# Altium PCB PCB_Final.PcbDoc (part 2 of 2)
Units mm, origin at the board's own origin, x right, y up, seen from the top; angles counter-clockwise.
Board outline 96.14 x 59.1 mm, 4 copper layers (Signal H, Power, GND, Signal L), stack 1.571 mm thick; 86 components, 49 nets, 289 pads, 467 vias.
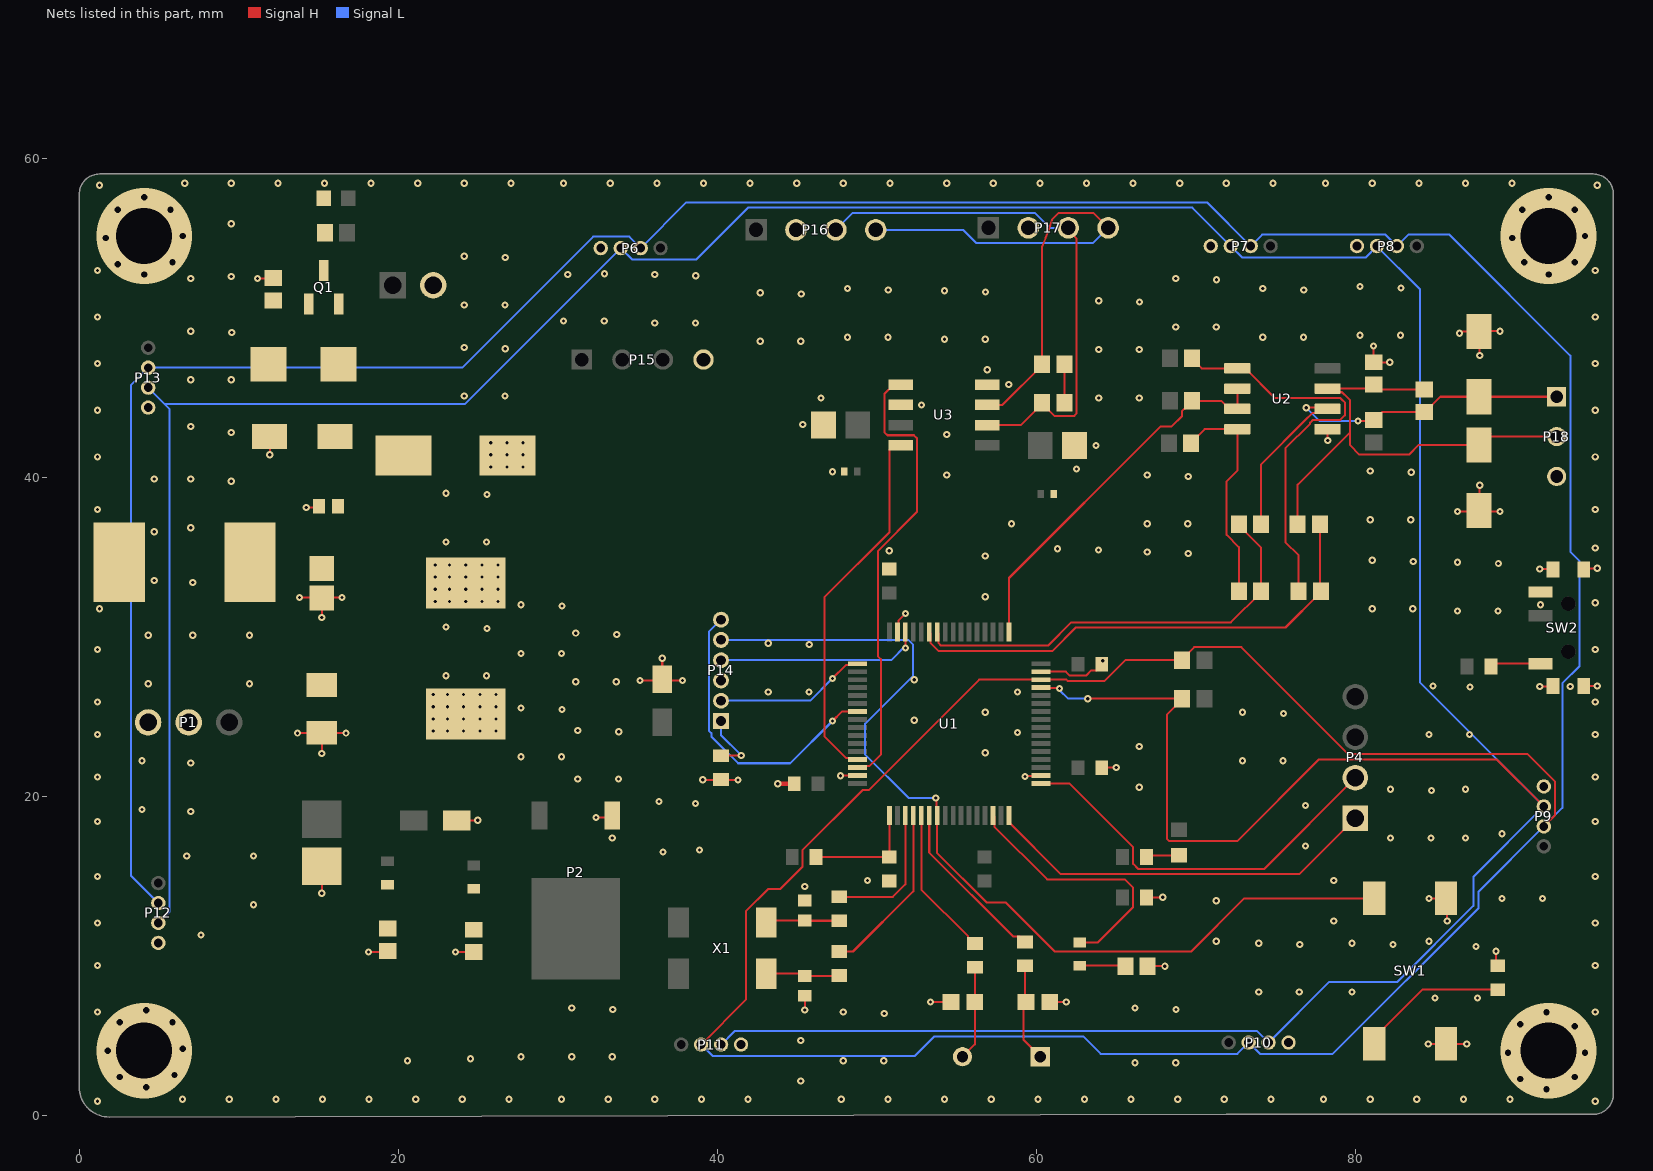
[diagram p4: the nets of this part, all layers, seen from the top]

## Via types
v1: diameter 0.45, hole 0.2, Signal H to Signal L, 430 vias
v2: diameter 0.8, hole 0.4, Signal H to Signal L, 32 vias
v3: diameter 6, hole 3.5, Signal H to Signal L, 4 vias
v4: diameter 1, hole 0.2, Signal H to Signal L, 1 vias

## Nets (pads, with @x,y where several pads share a name; then routed paths per layer and width w, separated by ;. In a path a pad name is that pad's centre, name@x,y a point inside that pad or via, vN(x,y) a via of type N, cw(c..) or ccw(c..) an arc to the next point about the centre after c; other vN are vias at no path point) (continued)
CANH: P16.4 P17.4 R18.1 U3.7 | length 33.1
  Signal H w0.127: U3.7@56.897,44.533 57.853,44.533 60.343,47.023 R18.1@60.343,47.073 60.343,54.41 60.343,54.435 ccw(c42.597,61.764) 60.95,56.125 61.39,56.564 63.538,56.564 P17.4@64.476,55.626
  Signal L w0.127: P16.4@49.911,55.499 55.38,55.499 56.192,54.688 63.538,54.688 P17.4@64.476,55.626
CANL: P16.3 P17.3 R17.2 U3.6 | length 33.8
  Signal H w0.127: U3.6@56.897,43.263 58.996,43.263 R17.2@60.343,44.61 ; R17.2@60.343,44.66 R17.2@60.343,44.61 ; P17.3@61.976,55.626 61.976,55.464 62.507,54.933 62.507,44.001 62.353,43.847 61.107,43.847 R17.2@60.343,44.61
  Signal L w0.127: P16.3@47.411,55.499 48.477,56.564 59.865,56.564 60.803,55.626 P17.3@61.976,55.626
GND: C1.2 C2.2 C3.1 C4.1 C5.2 C6.2 C7.2 C8.2 C9.1 C10.2 C11.2 C12.1 C13.1 C15.2 C16.2 C17.2 C18.1 C19.1 C20.1 C22.1 C23.2 D1.2 D5.2 D6.2 L2.1 L2.2 P1.2 P2.1 P3.2 P6.4 P7.4 P8.4 P9.4 P10.4 P11.4 P12.4 P13.4 P14.3 P15.4 P16.2 P17.2 P18.3 R2.2 R3.1 R6.1 R8.1 R9.1 R10.1 R26.2 SW1.1 SW1.2 SW2.3 SW2.4 SW2.5 SW2.6 SW2.7 U1.18 U1.31 U1.47 U1.63 U2.5 U3.2 U3.8 | length 78.9
  Signal H w0.127: v2(1.778,4.064) v3(4.064,4.064) ; v2(2.54,2.413) 4.064,3.937 v3(4.064,4.064) ; v2(2.54,5.842) 2.54,5.588 v3(4.064,4.064) ; v2(4.191,1.778) 4.191,3.937 v3(4.064,4.064) ; v2(4.191,6.604) 4.064,6.477 v3(4.064,4.064) ; v2(5.842,5.842) v3@4.191,4.191 ; v2(5.969,2.54) 4.445,4.064 v3(4.064,4.064) ; v2(6.477,4.191) v3@4.191,4.191 ; v1(11.176,52.451) 12.127,52.451 R2.2@12.148,52.472 ; D1.2@11.92,42.545 11.938,42.527 v1(11.938,41.402) ; v1(13.672,23.959) 15.172,23.959 C4.1@15.196,23.983 ; v1(13.799,32.468) v1(16.466,32.468) ; v1(14.224,38.1) 14.929,38.1 C1.2@15.012,38.183 ; v1(15.196,13.926) C5.2@15.196,15.626 ; v1(15.196,22.689) C4.1@15.196,23.983 ; v1(15.196,31.198) C3.1@15.196,32.432 ; v1(16.72,23.959) 15.22,23.959 C4.1@15.196,23.983 ; v1(18.117,10.243) 19.256,10.243 R3.1@19.318,10.305 ; v1(23.578,10.243) 24.718,10.243 R6.1@24.721,10.24 ; C6.2@23.658,18.498 v1(24.975,18.498) ; v1(32.385,18.669) 33.272,18.669 P2.1@33.4,18.797 ; v1(35.135,27.261) v1(37.802,27.261) ; C7.2@36.532,27.341 v1(36.532,28.658) ; v1(39.072,21.038) 39.083,21.028 R8.1@40.215,21.028 ; R8.1@40.215,21.05 R8.1@40.215,21.028 ; v1(41.27,21.017) 41.26,21.028 R8.1@40.215,21.028 ; v1(45.466,6.604) C11.2@45.466,7.503 ; v1(47.708,21.292) 47.717,21.301 48.756,21.301 U1.63@48.764,21.309 ; U1.47@51.264,30.309 51.349,30.394 51.349,31.029 v1(51.772,31.452) ; v1(53.34,7.112) C12.1@54.622,7.112 ; v1(59.265,21.234) 59.303,21.272 60.227,21.272 U1.18@60.264,21.309 ; U1.31@60.264,27.809 61.825,27.809 62.07,27.564 63.089,27.564 63.416,27.891 63.743,27.891 64.079,28.227 64.079,28.447 v1(64.135,28.502) ; C13.1@60.821,7.112 v1(61.849,7.112) ; C20.1@64.079,21.8 v1(64.98,21.8) ; R9.1@66.873,13.672 v1(67.901,13.672) ; R10.1@66.95,9.354 v1(68.028,9.354) ; U2.5@78.219,43.009 78.232,42.997 v1(78.232,42.291) ; v1@81.153,48.26 v1(81.109,48.216) R26.2@81.109,47.203 81.112,47.2 v1(82.125,47.2) ; v1(84.538,4.489) SW1.2@85.623,4.489 ; v1(84.582,13.589) SW1.1@85.667,13.589 ; SW1.2@85.645,4.511 SW1.2@85.623,4.489 ; SW1.1@85.645,13.611 SW1.1@85.667,13.589 ; v1(85.725,12.192) 85.725,13.531 SW1.1@85.667,13.589 ; v1(86.36,37.846) 87.648,37.846 D6.2@87.713,37.911 ; v1(86.487,49.022) 86.574,49.022 86.694,49.141 D5.2@87.713,49.141 ; v1(86.951,4.489) SW1.2@85.623,4.489 ; v1(87.757,39.497) 87.757,37.955 D6.2@87.713,37.911 ; v1(87.757,47.625) 87.757,49.098 D5.2@87.713,49.141 ; v1(88.773,10.287) 88.773,9.513 C16.2@88.9,9.386 ; v1(89.027,37.846) 87.779,37.846 D6.2@87.713,37.911 ; v1(89.027,49.149) 87.721,49.149 D5.2@87.713,49.141 ; v1(91.523,26.88) 92.315,26.88 SW2.4@92.348,26.913 ; v1(91.523,34.246) 92.315,34.246 SW2.5@92.348,34.213 ; SW2.6@94.278,26.913 94.289,26.924 v1(95.123,26.924) ; SW2.7@94.278,34.213 94.355,34.29 v1(95.123,34.29) ; v3(4.064,4.064) v3@4.191,4.191
  Signal H w0.3: v1(43.771,20.784) C18.1@44.799,20.784
  other v1: 1.143,0.889 1.143,0.889 94.996,0.889 94.996,0.889 6.477,1.016 9.398,1.016 12.319,1.016 15.24,1.016 18.161,1.016 21.082,1.016 24.003,1.016 26.924,1.016 30.226,1.016 33.147,1.016 36.068,1.016 38.989,1.016 41.91,1.016 47.752,1.016 50.673,1.016 54.229,1.016 57.15,1.016 60.071,1.016 62.992,1.016 65.913,1.016 68.834,1.016 71.755,1.016 74.676,1.016 77.978,1.016 80.899,1.016 83.82,1.016 86.741,1.016 89.662,1.016 45.212,2.159 66.167,3.302 68.707,3.302 20.574,3.429 47.879,3.429 50.419,3.429 24.511,3.556 27.686,3.683 30.861,3.683 33.401,3.683 45.212,4.699 50.447,6.398 1.143,6.477 47.879,6.477 94.996,6.477 33.429,6.652 68.735,6.652 30.861,6.731 66.167,6.731 84.963,7.366 87.63,7.366 73.914,7.747 76.454,7.747 79.756,7.747 1.143,9.398 94.996,9.398 87.531,10.589 76.482,10.716 82.324,10.716 73.914,10.795 79.756,10.795 71.247,10.922 84.582,10.922 7.62,11.303 1.143,12.065 94.996,12.065 78.613,12.192 10.922,13.208 71.247,13.462 89.154,13.589 91.694,13.589 45.466,14.351 49.403,14.732 78.613,14.732 1.143,14.986 94.996,14.986 6.731,16.256 10.922,16.256 36.576,16.51 38.862,16.637 76.835,16.891 33.401,17.399 82.169,17.399 84.709,17.399 86.868,17.399 89.154,17.653 1.143,18.415 94.996,18.415 6.985,19.05 3.937,19.177 76.835,19.431 38.608,19.558 36.322,19.685 84.737,20.368 82.169,20.447 86.868,20.447 66.421,20.574 31.242,21.082 33.782,21.082 1.143,21.209 94.996,21.209 6.985,22.098 3.937,22.225 72.898,22.225 75.438,22.225 27.686,22.479 30.226,22.479 56.769,22.733 66.421,23.114 1.143,23.876 84.582,23.876 87.122,23.876 94.996,23.876 58.801,24.003 33.81,24.051 22.181,24.086 23.07,24.086 24.086,24.086 25.102,24.086 26.118,24.086 31.242,24.13 52.324,24.765 22.181,24.848 23.07,24.848 24.086,24.848 25.102,24.848 26.118,24.848 75.466,25.194 56.769,25.273 72.898,25.273 30.254,25.448 27.686,25.527 22.181,25.61 23.07,25.61 24.086,25.61 25.102,25.61 26.118,25.61 1.143,25.908 94.996,25.908 22.181,26.372 23.07,26.372 24.086,26.372 25.102,26.372 26.118,26.372 43.18,26.543 45.72,26.543 58.801,26.543 87.15,26.845 93.428,26.88 84.836,26.924 31.115,27.178 33.655,27.178 52.324,27.305 22.987,27.559 25.527,27.559 27.686,28.956 30.226,28.956 1.143,29.21 94.996,29.21 45.748,29.512 7.112,30.099 33.683,30.147 31.115,30.226 25.555,30.528 22.987,30.607 86.36,31.623 88.9,31.623 1.27,31.75 81.026,31.75 83.566,31.75 30.254,31.925 27.686,32.004 91.567,32.004 94.996,32.131 22.308,32.214 23.197,32.214 24.213,32.214 25.229,32.214 26.245,32.214 56.769,32.512 22.308,32.976 23.197,32.976 24.213,32.976 25.229,32.976 26.245,32.976 7.112,33.401 4.699,33.528 22.308,33.738 23.197,33.738 24.213,33.738 25.229,33.738 26.245,33.738 22.308,34.5 23.197,34.5 24.213,34.5 25.229,34.5 26.245,34.5 88.928,34.592 86.36,34.671 83.594,34.719 81.026,34.798 56.769,35.052 69.497,35.227 66.929,35.306 50.756,35.389 63.869,35.433 61.301,35.513 94.996,35.56 22.987,35.941 25.527,35.941 4.699,36.576 6.985,36.83 58.42,37.084 66.929,37.084 69.469,37.084 80.899,37.338 83.439,37.338 1.143,37.973 94.996,37.973 25.555,38.91 22.987,38.989 9.525,39.751 4.699,39.878 6.985,39.878 69.497,40.053 54.356,40.132 66.929,40.132 83.467,40.307 47.2,40.342 80.899,40.386 62.484,40.513 25.781,40.64 26.797,40.64 27.813,40.64 1.143,41.275 94.996,41.275 25.781,41.402 26.797,41.402 27.813,41.402 63.71,41.993 25.781,42.164 26.797,42.164 27.813,42.164 54.356,42.672 9.525,42.799 6.985,43.18 45.339,43.307 1.143,44.196 94.996,44.196 52.788,44.533 46.482,44.958 63.881,44.958 66.421,44.958 24.13,45.085 26.67,45.085 58.249,45.803 6.985,46.101 9.525,46.101 56.896,46.736 1.143,47.117 94.996,47.117 63.881,48.006 63.881,48.006 66.421,48.006 66.421,48.006 26.698,48.054 24.13,48.133 42.672,48.514 45.212,48.514 54.229,48.641 56.769,48.641 48.133,48.768 50.673,48.768 74.168,48.768 76.708,48.768 80.264,48.895 82.804,48.895 9.553,49.07 6.985,49.149 68.707,49.403 71.247,49.403 36.068,49.657 38.608,49.657 30.353,49.784 32.893,49.784 1.143,50.038 94.996,50.038 24.13,50.8 26.67,50.8 66.449,50.975 63.881,51.054 45.24,51.483 42.672,51.562 56.797,51.61 54.229,51.689 50.701,51.737 76.736,51.737 48.133,51.816 74.168,51.816 82.832,51.864 80.264,51.943 71.275,52.372 6.985,52.451 68.707,52.451 9.525,52.578 38.636,52.626 30.607,52.705 36.068,52.705 32.921,52.753 1.143,52.959 94.996,52.959 26.698,53.769 24.13,53.848 9.525,55.88 1.27,58.293 1.27,58.293 95.123,58.293 95.123,58.293 6.604,58.42 9.525,58.42 12.446,58.42 15.367,58.42 18.288,58.42 21.209,58.42 24.13,58.42 27.051,58.42 30.353,58.42 33.274,58.42 36.195,58.42 39.116,58.42 42.037,58.42 44.958,58.42 47.879,58.42 50.8,58.42 54.356,58.42 57.277,58.42 60.198,58.42 63.119,58.42 66.04,58.42 68.961,58.42 71.882,58.42 74.803,58.42 78.105,58.42 81.026,58.42 83.947,58.42 86.868,58.42 89.789,58.42
  other v2: 91.948,1.651 90.297,2.286 93.726,2.413 89.535,3.937 94.361,3.937 93.726,5.588 90.297,5.715 91.948,6.477 4.064,52.705 92.075,52.705 2.413,53.34 5.842,53.467 90.551,53.467 93.726,53.467 1.651,54.991 89.789,54.991 6.477,55.118 94.361,55.118 2.413,56.769 5.715,56.769 90.424,56.769 93.726,56.769 4.064,57.531 92.075,57.531
  other v3: 92.075,4.064 4.064,55.118 92.075,55.118
LED_STATUS: D3.2 U1.14 | length 16.5
  Signal H w0.127: U1.14@57.264,18.809 57.349,18.725 57.349,18.103 60.657,14.795 65.524,14.795 66.037,14.282 66.037,13.063 63.815,10.841 D3.2@62.694,10.841
NetC1_1: C1.1 C2.1 C3.2 D1.1 L1.1 Q1.2 Z1.1
NetC4_2: C4.2 L1.2 P1.1
  other v1: 4.318,27.051 10.668,27.051 4.318,30.099 10.668,30.099
NetC10_1: C10.1 R12.2 X1.1 | length 4.6
  Signal H w0.127: X1.1@43.053,12.09 43.175,12.212 C10.1@45.466,12.212 45.474,12.204 R12.2@47.625,12.204
NetC11_1: C11.1 R11.2 X1.4 | length 4.6
  Signal H w0.127: X1.4@43.053,8.89 45.329,8.89 C11.1@45.466,8.753 47.603,8.753 R11.2@47.625,8.775
NetC12_2: C12.2 R14.1 X2.2 | length 5.9
  Signal H w0.127: X2.2@55.345,3.683 56.122,4.46 C12.2@56.122,7.112 56.134,7.124 R14.1@56.134,9.283
NetC13_2: C13.2 R13.1 X2.1 | length 6.2
  Signal H w0.127: R13.1@59.265,9.378 59.265,7.183 59.15,7.068 59.175,7.043 59.175,4.733 X2.1@60.225,3.683
NetC16_1: C16.1 SW1.4 | length 9.4
  Signal H w0.127: SW1.4@81.145,4.511 81.145,4.861 84.171,7.886 C16.1@88.9,7.886
NetD2_1: D2.1 R3.2
NetD3_1: D3.1 R10.2 | length 2.9
  Signal H w0.127: D3.1@62.694,9.391 65.513,9.391 R10.2@65.55,9.354
NetD4_1: D4.1 R6.2
NetF1_2: F1.2 Q1.3 R1.1
NetFB1_2: FB1.2 R16.1 | length 2.1
  Signal H w0.127: R16.1@66.873,16.212 66.962,16.301 FB1.2@68.917,16.301
NetP6_2: P6.2 P7.2 P8.2 P9.2 P10.2 P11.2 P12.2 P13.2 R5.1 U1.30 | length 300.1
  Signal H w0.127: P11.2@38.969,4.445 41.778,7.254 41.778,12.788 43.186,14.196 43.928,14.196 45.336,15.603 45.336,16.649 49.081,20.394 49.47,20.394 56.386,27.309 U1.30@60.264,27.309 61.862,27.309 61.935,27.237 64.262,27.237 65.556,28.531 R5.1@69.106,28.531 69.106,28.581 69.87,29.345 72.823,29.345 79.526,22.642 90.762,22.642 92.491,20.913 92.491,18.831 P9.2@91.777,18.117
  Signal L w0.127: P12.2@4.953,13.315 3.23,15.038 3.23,45.775 P13.2@4.318,46.863 24.003,46.863 32.21,55.07 34.465,55.07 P6.2@35.179,54.356 38.041,57.218 70.671,57.218 P7.2@73.406,54.483 74.12,55.197 81.856,55.197 P8.2@82.57,54.483 83.283,55.197 85.869,55.197 93.447,47.619 93.447,35.315 94.027,34.735 94.027,28.17 92.94,27.083 92.94,19.28 P9.2@91.777,18.117 87.684,14.024 87.684,12.997 78.545,3.858 73.993,3.858 P10.2@73.279,4.572 72.565,3.858 64,3.858 62.905,4.953 53.594,4.953 52.372,3.731 39.683,3.731 P11.2@38.969,4.445
NetP6_3: P6.3 P7.3 P8.3 P9.3 P10.3 P11.3 P12.3 P13.3 R28.1 U1.29 | length 261.9
  Signal H w0.127: U1.29@60.264,26.809 60.292,26.781 61.396,26.781 v1(61.424,26.753) ; v1(63.192,26.118) R28.1@69.106,26.118 69.106,26.068 68.154,25.116 68.154,17.342 68.308,17.188 72.56,17.188 77.68,22.308 88.836,22.308 P9.3@91.777,19.367
  Signal L w0.127: P13.3@4.318,45.613 5.354,44.577 ; P12.3@4.953,12.065 5.667,12.779 5.667,44.265 5.354,44.577 ; P11.3@40.219,4.445 41.059,5.286 73.815,5.286 P10.3@74.529,4.572 78.312,8.355 82.579,8.355 87.357,13.133 87.357,14.946 P9.3@91.777,19.367 84.008,27.137 84.008,51.795 P8.3@81.32,54.483 80.606,53.769 72.87,53.769 P7.3@72.156,54.483 69.748,56.891 41.905,56.891 38.656,53.642 34.642,53.642 P6.3@33.929,54.356 24.15,44.577 5.354,44.577 ; v1(61.424,26.753) 61.424,26.666 61.972,26.118 v1(63.192,26.118)
NetP14_1: P14.1 R8.2 | length 4
  Signal H w0.127: R8.2@40.215,22.55 40.227,22.562 v1(41.485,22.562)
  Signal L w0.127: P14.1@40.215,24.721 40.215,23.832 v1(41.485,22.562)
NetQ1_1: Q1.1 R2.1 Z1.2
NetR7_1: R7.1 SW2.1 | length 3.4
  Signal H w0.127: SW2.1@91.563,28.313 R7.1@88.626,28.313 ; R7.1@88.626,28.313 R7.1@88.463,28.15 R7.1@88.626,28.313
NetR17_1: R17.1 R18.2 | length 2.4
  Signal H w0.127: R17.1@61.743,44.66 R18.2@61.743,47.073
NetR19_1: R19.1 U1.33 U2.2 U2.3 | length 24
  Signal H w0.127: U1.33@58.264,30.309 58.264,33.682 67.762,43.18 68.453,43.18 69.108,43.835 69.108,44.151 69.258,44.301 69.308,44.301 69.744,44.737 R19.1@69.744,44.787 71.561,44.787 72.069,44.279 U2.3@72.569,44.279 U2.2@72.569,45.549
NetR22_2: R22.2 R24.2 U1.42 | length 27.2
  Signal H w0.127: U1.42@53.764,30.309 53.849,30.225 53.849,29.603 54.003,29.449 60.706,29.449 62.163,30.906 72.169,30.906 74.062,32.799 R22.2@74.062,32.849 74.062,35.59 72.662,36.99 R24.2@72.662,37.04
NetR23_2: R23.2 R25.2 U1.43 | length 31.1
  Signal H w0.127: U1.43@53.264,30.309 53.349,30.225 53.349,29.603 53.83,29.122 60.999,29.122 62.456,30.579 75.59,30.579 77.745,32.734 R25.2@77.745,37.04
NetU1_61: U1.61 U3.4 | length 23.1
  Signal H w0.127: U1.61@48.764,22.309 48.68,22.394 48.058,22.394 46.712,23.74 46.712,32.498 50.774,36.561 50.774,41.732 51.036,41.993 U3.4@51.473,41.993
NetU1_62: U1.62 U3.1 | length 28.7
  Signal H w0.127: U1.62@48.68,21.894 U1.62@48.764,21.809 48.849,21.894 49.508,21.894 50.229,22.614 50.229,28.592 50.043,28.778 50.043,35.367 52.499,37.823 52.499,42.428 52.299,42.628 50.648,42.628 50.447,42.829 50.447,45.215 51.036,45.803 U3.1@51.473,45.803
NRST: P14.5 SW1.3 U1.7 | length 60.7
  Signal H w0.127: v1(53.677,19.895) 53.721,19.852 53.721,18.853 U1.7@53.764,18.809 53.764,16.439 56.858,13.345 58.071,13.345 60.856,10.561 61.139,10.278 69.681,10.278 73.013,13.611 SW1.3@81.145,13.611
  Signal L w0.127: P14.5@40.215,29.801 51.955,29.801 52.261,29.496 52.261,27.559 49.252,24.55 49.252,22.614 51.971,19.895 v1(53.677,19.895)
  other v1: 43.18,29.591
OSC32_IN: R12.1 U1.3 | length 8.8
  Signal H w0.127: R12.1@47.625,13.704 50.983,13.704 51.764,14.486 U1.3@51.764,18.809
OSC32_OUT: R11.1 U1.4 | length 11
  Signal H w0.127: R11.1@47.625,10.275 48.487,10.275 52.264,14.052 U1.4@52.264,18.809
OSC_IN: R14.2 U1.5 | length 9.5
  Signal H w0.127: U1.5@52.764,18.809 52.764,14.153 55.697,11.22 55.697,11.12 56.034,10.783 R14.2@56.134,10.783
OSC_OUT: R13.2 U1.6 | length 10.7
  Signal H w0.127: U1.6@53.264,18.809 53.264,16.476 58.526,11.215 58.929,11.215 R13.2@59.265,10.878
RS485_RX: R20.1 R23.1 U2.1 | length 25.5
  Signal H w0.127: R20.1@69.744,47.454 69.744,47.404 70.329,46.819 U2.1@72.569,46.819 73.069,46.819 74.928,44.961 79.029,44.961 79.122,44.868 79.125,44.868 79.308,44.685 79.308,43.874 79.032,43.598 77.314,43.598 77.131,43.415 77.131,43.359 75.582,41.81 75.582,35.932 76.41,35.103 R23.1@76.41,32.849
RS485_TX: R21.1 R22.1 U2.4 | length 14
  Signal H w0.127: R21.1@69.679,42.12 69.679,42.17 70.518,43.009 U2.4@72.569,43.009 72.569,40.408 71.899,39.737 71.899,36.381 72.662,35.618 R22.1@72.662,32.849
RX_PC: D6.1 P18.2 R4.1 R25.1 R26.1 U2.7 | length 32.4
  Signal H w0.127: R25.1@76.345,37.04 76.345,39.529 79.635,42.818 ; R4.1@84.284,45.487 81.425,45.487 R26.1@81.109,45.803 80.855,45.549 U2.7@78.219,45.549 78.047,45.377 78.911,45.542 78.911,45.393 78.981,45.323 79.13,45.323 79.257,45.195 79.26,45.195 79.635,44.82 79.635,42.818 ; D6.1@88.425,42.723 D6.1@88.247,42.545 ; P18.2@92.583,42.545 D6.1@88.247,42.545 ; 79.635,42.818 79.635,42.007 80.223,41.419 83.328,41.419 83.921,42.011 D6.1@87.713,42.011 D6.1@88.247,42.545
SWCLK: P14.2 U1.49 | length 9.5
  Signal H w0.127: v1(47.2,27.388) 48.037,28.225 48.68,28.225 U1.49@48.764,28.309
  Signal L w0.127: P14.2@40.215,25.991 45.803,25.991 v1(47.2,27.388)
SWDIO: P14.4 U1.46 | length 13.1
  Signal H w0.127: U1.46@51.764,30.309 51.768,30.305 51.768,29.297 v1(51.772,29.293)
  Signal L w0.127: P14.4@40.215,28.531 50.883,28.531 51.772,29.42 v1(51.772,29.293)
SWO: P14.6 U1.55 | length 18.9
  Signal H w0.127: v1(47.2,24.721) 47.788,25.309 U1.55@48.764,25.309
  Signal L w0.127: P14.6@40.215,31.071 39.452,30.308 39.452,24.112 39.606,23.958 39.606,23.751 41.283,22.074 44.553,22.074 v1(47.2,24.721)
TX_PC: D5.1 P18.1 R4.2 R24.1 R27.2 U2.6 | length 27.4
  Signal H w0.127: R24.1@74.062,37.04 74.062,40.809 76.804,43.55 77.271,44.018 77.958,44.018 U2.6@78.219,44.279 78.143,44.356 v1(76.893,44.356) ; v1(80.123,43.517) 81.044,43.517 R27.2@81.109,43.582 81.159,43.582 81.664,44.087 R4.2@84.284,44.087 84.334,44.087 85.288,45.041 D5.1@87.713,45.041 92.579,45.041 P18.1@92.583,45.045
  Signal L w0.127: v1(76.893,44.356) 77.731,43.517 v1(80.123,43.517)
USART2_RX: P4.2 U1.17 | length 24.9
  Signal H w0.127: U1.17@60.264,20.809 62.049,20.809 66.037,16.822 66.037,15.776 66.364,15.449 74.25,15.449 P4.2@79.966,21.165
USART2_TX: P4.1 U1.16 | length 24.9
  Signal H w0.127: U1.16@58.264,18.809 58.264,18.365 61.507,15.122 76.463,15.122 P4.1@79.966,18.625
VBAT/VLCD: C15.1 R15.2 U1.1 | length 7.2
  Signal H w0.127: R15.2@46.172,16.212 46.184,16.2 C15.1@50.756,16.2 50.764,16.208 U1.1@50.764,18.809
pads on no net: SW2. U1.2 U1.8 U1.9 U1.10 U1.11 U1.15 U1.20 U1.21 U1.22 U1.23 U1.24 U1.25 U1.26 U1.27 U1.34 U1.35 U1.36 U1.37 U1.38 U1.39 U1.40 U1.41 U1.44 U1.45 U1.50 U1.51 U1.52 U1.53 U1.54 U1.56 U1.57 U1.58 U1.59 X1.2 X1.3
copper on no net:
  other v1: 89.436,20.368 7.112,27.051 66.929,32.258 69.469,32.258 61.301,32.465 63.841,32.465

## Polygon pours and split planes (outlines as drawn)
GND on Signal H "GND_L01_P018" (solid, pour order 18): -5.207,68.262 -5.08,-7.429 -5.08,-8.191 ccw(c-4.064,-8.191) -4.064,-9.207 99.695,-9.207 ccw(c99.695,-7.81) 101.092,-7.81 101.092,68.516 ccw(c100.203,68.516) 100.203,69.405 -4.318,69.405 ccw(c-4.318,68.262) -5.461,68.262 -5.334,32.956 -5.207,17.97 -5.207,-8.064
+12V on Signal H "+12V_L01_P021" (solid, pour order 21): 15.958,58.928 15.958,58.757 15.958,51.86 16.046,51.772 17.863,51.772 17.863,50.629 17.907,50.673 21.082,50.673 21.082,53.213 34.925,53.213 34.925,45.974 38.1,45.974 38.1,53.086 58.42,53.086 58.42,58.928 16.129,58.928
+3.3V on Signal H "+3.3V_L01_P029" (solid, pour order 29): 28.194,14.986 23.622,14.986 23.622,16.383 35.814,16.383 39.624,19.431 47.738,19.431 45.336,17.028 45.336,15.603 45.227,15.494 43.293,14.986 42.538,14.231 34.29,8.255 28.194,8.255
+3.3V on Signal H "+3.3V_L01_P023" (solid, pour order 23): 29.741,49.149 29.718,44.704 30.988,44.704 31.115,25.908 39.624,19.431 49.53,19.431 49.53,21.082 48.006,21.082 47.732,20.975 42.926,25.781 34.417,25.781 34.417,44.831 33.401,44.831 33.401,49.149
NetC1_1 on Signal H "NETC1_1_L01_P005" (solid, pour order 5): 13.672,37.04 6.985,37.04 6.985,31.496 13.672,31.496 13.672,27.134 16.974,27.134 16.974,33.865 23.197,33.865 23.197,50.629 17.863,50.629 17.863,51.772 15.196,51.772 15.196,39.326 15.704,39.326 15.704,37.04
+5V on Signal H "+5V_L01_P009" (solid, pour order 9): 30.055,20.022 30.099,20.066 30.099,16.383 23.622,16.383 23.622,14.986 19.471,14.986 16.974,17.482 9.1,17.482 9.1,13.799 5.588,9.525 3.683,9.398 3.683,10.668 7.322,13.799 7.322,25.458 13.912,25.458 13.97,25.4 13.97,20.022
NetF1_2 on Signal H "NETF1_2_L01_P010" (solid, pour order 10): 14.561,58.928 15.958,58.928 15.958,52.153 14.561,52.153 14.561,57.36
NetD2_1 on Signal H "NETD2_1_L01_P011" (solid, pour order 11): 20.657,11.005 18.371,11.005 18.371,14.815 20.657,14.815 18.371,14.815 20.657,14.815
NetD4_1 on Signal H "NETD4_1_L01_P012" (solid, pour order 12): 25.864,10.878 23.578,10.878 23.578,14.688 25.864,14.688 23.578,14.688 25.864,14.688
NetP14_1 on Signal H "NETP14_1_L01_P019" (solid, pour order 19): 39.199,25.356 41.231,25.356 41.231,21.673 39.199,21.673
+3.3V on Signal H "+3.3V_L01_P024" (solid, pour order 24): 51.435,33.655 51.435,29.464 50.165,29.464 50.165,33.655 50.165,29.464 50.165,33.655
+3.3V on Signal H "+3.3V_L01_P025" (solid, pour order 25): 55.626,42.799 61.214,42.799 61.214,39.878 60.706,39.878 60.706,38.1 57.404,38.1 51.376,32.072 50.043,32.072 50.043,33.533 50.165,33.655 51.435,33.655 55.626,37.846
+5V on Signal H "+5V_L01_P026" (solid, pour order 26): 47.752,44.196 50.165,44.196 50.165,41.783 49.149,41.783 49.149,39.751 48.387,39.751 48.26,39.878 48.26,41.91 48.133,41.91 47.879,42.164 47.752,42.037
+5V on Signal H "+5V_L01_P027" (solid, pour order 27): 48.006,45.974 48.133,46.101 50.165,46.101 50.165,42.037 49.657,42.037 48.006,42.037 48.006,46.101
+3.3V on Signal H "+3.3V_L01_P028" (solid, pour order 28): 69.977,29.21 71.247,29.21 71.247,19.177 69.469,17.399 68.453,17.399 68.453,19.05 69.977,20.574
NetC4_2 on Signal H "NETC4_2_L01_P031" (solid, pour order 31): 0.381,37.465 6.858,37.465 6.858,31.623 6.985,31.496 13.672,31.496 13.672,27.222 13.76,27.134 16.974,27.134 17.018,27.091 17.018,25.273 5.715,25.273 5.715,23.495 0.381,23.495
NetQ1_1 on Signal H "NETQ1_1_L01_P032" (solid, pour order 32): 11.176,51.816 11.22,51.772 15.196,51.772 15.196,45.549 15.153,45.593 10.541,45.593 10.541,51.816 10.585,51.772 15.196,51.772
GND on Signal L "GND_L04_P016" (solid, pour order 16): -5.207,70.485 -4.953,-5.207 ccw(c-3.302,-5.207) -3.302,-6.858 100.076,-6.858 ccw(c100.076,-5.842) 101.092,-5.842 101.092,71.12 ccw(c100.457,71.12) 100.457,71.755 -3.937,71.755 ccw(c-3.937,70.485)
GND on GND "GND_L03_P004" (solid, pour order 4): 99.911,70.926 cw(c100.072,70.1) 100.895,69.925 100.896,-6.328 cw(c99.735,-6.416) 99.527,-7.562 -3.904,-7.562 cw(c-3.999,-6.314) -5.234,-6.113 -5.428,70.06 cw(c-4.426,69.972) -4.349,70.975
+5V on Power "+5V_L02_P000" (solid, pour order 0): 28.01,-0.034 42.926,0.073 94.499,0.128 ccw(c94.875,1.392) 96.139,1.016 96.139,57.731 ccw(c94.353,57.753) 95.631,59.001 58.674,59.001 54.229,59.001 52.705,59.001 39.878,59.001 cw(c37.275,89.923) 34.671,59.001 22.352,59.001 7.938,59.001 0.897,58.945 0.28,58.526 0,56.642 0,54.356 0,52.578 0,1.343 ccw(c1.546,1.448) 1.651,-0.098

## Silkscreen, mask and mechanical layers (free items; w line width, h text height)
Top Overlay 1:
  drawing of 115 lines, arcs and shapes, not listed
  text "CAN / END / NODE" at 65.786,44.374 h1.2 r90
  text "USART->PC" at 72.136,38.609 h1.2
  text "RS485->PC" at 72.593,34.342 h1.2
  text "Termination Resistor / RS-485" at 85.09,31.115 h1.2 r90
  text "5V" at 21.208,14.478 h1.52 r90
  text "3.3V" at 26.797,13.843 h1.52 r90
  text "STATUS" at 61.721,8.001 h1.52 r90
Bottom Overlay 1:
  drawing of 111 lines, arcs and shapes, not listed
  text "CAN OUT" at 63.246,56.914 h1.5
  text "CAN IN" at 48.641,56.786 h1.5
  text "LiDAR2" at 75.184,56.134 h1.52
  text "LiDAR3" at 84.455,56.134 h1.52
  text "LiDAR1" at 36.83,55.753 h1.52
  text "POWER" at 23.495,53.34 h1.52
  text "GND" at 59.056,52.197 h1.2 r270
  text "GND" at 44.451,51.943 h1.2 r270
  text "+12V" at 56.515,51.943 h1.2 r270
  text "+12V" at 41.91,51.689 h1.2 r270
  text "CANL" at 61.468,51.689 h1.2 r270
  text "SCL" at 71.755,51.689 h1.2 r270
  text "SCL" at 81.026,51.689 h1.2 r270
  text "SCL" at 33.528,51.562 h1.2 r270
  text "CANH" at 64.135,51.562 h1.2 r270
  text "GND" at 70.485,51.562 h1.2 r270
  text "SDA" at 73.025,51.562 h1.2 r270
  text "+5 V" at 74.168,51.562 h1.2 r270
  text "GND" at 79.756,51.562 h1.2 r270
  text "SDA" at 82.296,51.562 h1.2 r270
  text "+5 V" at 83.439,51.562 h1.2 r270
  text "GND" at 32.258,51.435 h1.2 r270
  text "SDA" at 34.798,51.435 h1.2 r270
  text "+5 V" at 35.941,51.435 h1.2 r270
  text "CANL" at 46.863,51.435 h1.2 r270
  text "CANH" at 49.53,51.308 h1.2 r270
  text "GND" at 22.606,50.8 h1.2 r90
  text "HW DEBUG" at 38.989,49.022 h1.52
  text "LiDAR8" at 3.048,48.641 h1.52 r90
  text "+12V" at 19.177,48.26 h1.2 r270
  text "+5 V" at 7.366,47.625 h1.2
  text "SDA" at 7.366,46.482 h1.2
  text "GND" at 39.624,46.228 h1.2 r90
  text "SCL" at 7.239,45.212 h1.2
  text "TX" at 91.44,44.577 h1.2
  text "+5V" at 33.528,44.323 h1.2 r270
  text "GND" at 7.366,43.942 h1.2
  text "+12V" at 36.195,43.688 h1.2 r270
  text "+3.3V" at 30.988,43.434 h1.2 r270
  text "RX" at 91.186,42.164 h1.2
  text "PC" at 93.853,41.783 h1.5 r270
  text "GND" at 91.186,39.625 h1.2
  text "SWO" at 43.688,30.607 h1.2
  text "SWD" at 39.116,29.464 h1.52 r90
  text "NRST" at 44.069,29.337 h1.2
  text "SWDIO" at 44.831,28.067 h1.2
  text "GND" at 43.561,26.924 h1.2
  text "USART+BOOT" at 78.74,26.67 h1.52 r90
  text "BOOT1" at 84.709,25.908 h1.2
  text "REG 12V->5V" at 11.303,25.781 h1.52
  text "SWCLK" at 45.085,25.527 h1.2
  text "VDD" at 43.434,24.257 h1.2
  text "GND" at 7.239,23.495 h1.2 r90
  text "BOOT0" at 84.836,23.241 h1.2
  text "+5V" at 9.017,21.59 h1.2 r270
  text "GND" at 88.9,20.955 h1.2 r180
  text "RX" at 82.677,20.701 h1.2
  text "\"+12V\"" at 3.937,20.193 h1.2 r270
  text "SCL" at 89.027,19.685 h1.2 r180
  text "TX" at 82.55,18.415 h1.2
  text "SDA" at 88.9,18.415 h1.2 r180
  text "+5 V" at 88.9,17.272 h1.2 r180
  text "LiDAR4" at 93.091,16.383 h1.52 r270
  text "LiDAR7" at 3.302,14.986 h1.52 r90
  text "+5 V" at 7.874,14.097 h1.2
  text "SDA" at 7.874,12.954 h1.2
  text "Feito por: / André Oliveira  /  / Mestrado em  / Sistemas Autónomos" at 74.041,12.065 h2
  text "SCL" at 7.747,11.684 h1.2
  text "GND" at 7.874,10.414 h1.2
  text "+5 V" at 72.39,7.493 h1.2 r90
  text "SDA" at 73.533,7.493 h1.2 r90
  text "GND" at 76.073,7.493 h1.2 r90
  text "+5 V" at 38.1,7.366 h1.2 r90
  text "SDA" at 39.243,7.366 h1.2 r90
  text "GND" at 41.783,7.366 h1.2 r90
  text "SCL" at 74.803,7.366 h1.2 r90
  text "SCL" at 40.513,7.239 h1.2 r90
  text "LiDAR5" at 71.374,3.429 h1.52 r180
  text "LiDAR6" at 37.084,3.302 h1.52 r180
Mechanical 1:
  lines w0.4: 0,57.731 cw(c1.27,57.731) 1.27,59.001 3.302,59.001 84.201,59.001 94.869,59.001 cw(c94.869,57.731) 96.139,57.731 96.139,35.379 96.139,26.362 96.139,2.359 96.139,2.105 96.139,1.343 cw(c94.869,1.343) 94.869,0.073 94.361,0.073 71.882,0.073 1.875,-0.098 cw(c1.875,1.777) 0,1.777 0,56.334 0,57.731 ; 0,57.731 0,57.731